# Altium PCB Backplane.PcbDoc (continued)
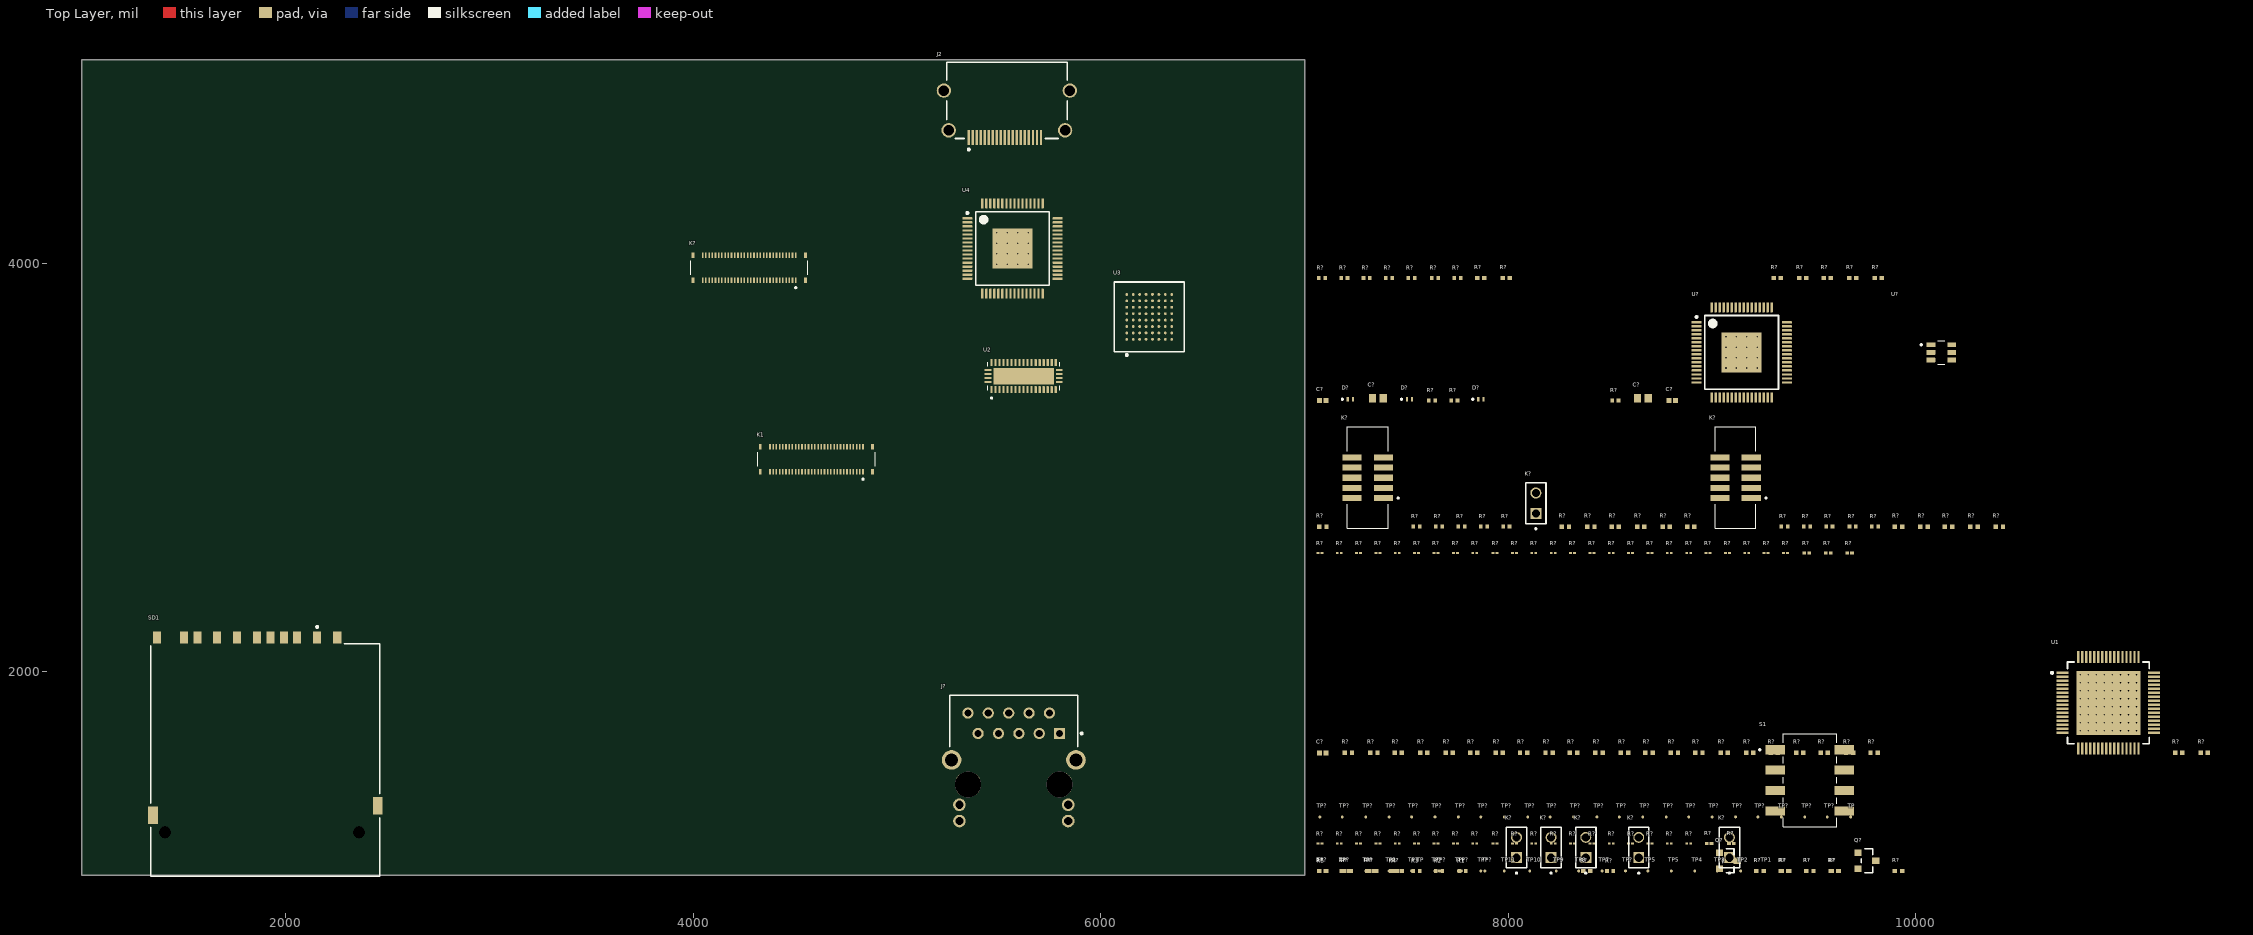
[diagram p0: Top Layer view]
## Footprints (in the part's own frame and the unit in brackets; to place one, negate y for a bottom-side part, rotate by r counter-clockwise, add the part's x,y. Pads: shape width x height; smd on the part's side, far side on the other; paste and mask are expansions set on the pad)
AMPHENOL_20021521-00010T1LF [mm]
  rect 0.76x2.4 smd: 1(-2.54,-1.95) 2(-1.27,-1.95) 3(0,-1.95) 4(1.27,-1.95) 5(2.54,-1.95) 6(2.54,1.95) 7(1.27,1.95) 8(0,1.95) 9(-1.27,1.95) 10(-2.54,1.95)
  silkscreen extent -6.32,-3.9 6.32,2.55, body extent -6.3,-2.75 6.35,2.75, height 5.6
CAPC1005X06N [mm] "Chip Capacitor, Body 1.0x0.5mm, IPC Medium Density (0402 Imperial)"
  rect 0.62x0.62 smd: 1(-0.41,0) 2(0.41,0)
  body extent -0.5,-0.25 0.5,0.25, height 0.46
CAPC1608X09N [mm] "Chip Capacitor, Body 1.6x0.8mm, IPC Medium Density (0603 Imperial)"
  rect 0.9x1 smd: 1(-0.675,0) 2(0.675,0)
  body extent -0.8,-0.4 0.8,0.4, height 0.78
DF40C-60DS-0.4V(51) [mm]
  rect 0.2x0.7 smd paste-1 mask+0.05: 1(5.968,-1.683) 2(5.968,1.397) 3(5.568,-1.683) 4(5.568,1.397) 5(5.168,-1.683) 6(5.168,1.397) 7(4.768,-1.683) 8(4.768,1.397) 9(4.368,-1.683) 10(4.368,1.397) 11(3.968,-1.683) 12(3.968,1.397) 13(3.568,-1.683) 14(3.568,1.397) 15(3.168,-1.683) 16(3.168,1.397) 17(2.768,-1.683) 18(2.768,1.397) 19(2.368,-1.683) 20(2.368,1.397) 21(1.968,-1.683) 22(1.968,1.397) 23(1.568,-1.683) 24(1.568,1.397) 25(1.168,-1.683) 26(1.168,1.397) 27(0.768,-1.683) 28(0.768,1.397) 29(0.368,-1.683) 30(0.368,1.397) 31(-0.032,-1.683) 32(-0.032,1.397) 33(-0.432,-1.683) 34(-0.432,1.397) 35(-0.832,-1.683) 36(-0.832,1.397) 37(-1.232,-1.683) 38(-1.232,1.397) 39(-1.632,-1.683) 40(-1.632,1.397) 41(-2.032,-1.683) 42(-2.032,1.397) 43(-2.432,-1.683) 44(-2.432,1.397) 45(-2.832,-1.683) 46(-2.832,1.397) 47(-3.232,-1.683) 48(-3.232,1.397) 49(-3.632,-1.683) 50(-3.632,1.397) 51(-4.032,-1.683) 52(-4.032,1.397) 53(-4.432,-1.683) 54(-4.432,1.397) 55(-4.832,-1.683) 56(-4.832,1.397) 57(-5.232,-1.683) 58(-5.232,1.397) 59(-5.632,-1.683) 60(-5.632,1.397)
  rect 0.35x0.7 smd paste-1: S1(7.168,-1.683) S2(7.168,1.397) S3(-6.832,-1.683) S4(-6.832,1.397)
  silkscreen extent -7.13,-2.73 7.47,0.73, body extent -7.13,-1.79 7.47,1.59, height 1.5
DIODFN100X60X40-2N [mm]
  rect 0.28x0.52 smd: 1(-0.325,0) 2(0.325,0)
  silkscreen extent -1.1,-0.1 -0.9,0.1, body extent -0.5,-0.3 0.5,0.3, height 0.4
FCI-10029449-111RLF_V [mm] "SMD, 19-Leads, Body 15x9.5mm, Pitch 0.5mm"
  rect 0.3x1.9 smd: 1(4.75,2.925) 2(4.25,2.925) 3(3.75,2.925) 4(3.25,2.925) 5(2.75,2.925) 6(2.25,2.925) 7(1.75,2.925) 8(1.25,2.925) 9(0.75,2.925) 10(0.25,2.925) 11(-0.25,2.925) 12(-0.75,2.925) 13(-1.25,2.925) 14(-1.75,2.925) 15(-2.25,2.925) 16(-2.75,2.925) 17(-3.25,2.925) 18(-3.75,2.925) 19(-4.25,2.925)
  round 1.8 hole 1.3: 20(-7.25,2.025) 21(-7.85,-2.925) 22(7.85,-2.925) 23(7.25,2.025)
  silkscreen extent -7.5,-6.44 7.5,4.55, body extent -8.1,-6.44 8.1,3.45, height 6.11
FCI-10067847-001RLF_V [mm] "CONN, 11-Leads, Body 29x28.5mm"
  rect 1x1.5 smd: 1(6.475,12.15) 2(3.975,12.15) 3(0.675,12.15) 4(-1.025,12.15) 5(-3.525,12.15) 6(-6.025,12.15) 7(-8.45,12.15) 8(-10.15,12.15) 9(8.975,12.15) 10(2.325,12.15) 11(-13.5,12.15)
  rect 1.2x2.2 smd: 12(-14,-10.05) 13(14,-8.85)
  round 0 hole 1.5 unplated: MH1(-12.5,-12.15) MH2(11.7,-12.15)
  silkscreen extent -14.25,-17.65 14.25,13.57, body extent -14.24,-17.7 14.21,12.56, height 2.9
FP-ARJM11D7-502-AB-EW2-MFG [mm]
  rect 1.4x1.4 hole 0.9 paste-2539.97 mask+0: 1(5.715,6.275)
  round 1.4 hole 0.9 paste-2539.97 mask+0: 2(4.445,8.815) 3(3.175,6.275) 4(1.905,8.815) 5(0.635,6.275) 6(-0.635,8.815) 7(-1.905,6.275) 8(-3.175,8.815) 9(-4.445,6.275) 10(-5.715,8.815)
  round 1.57 hole 1.02 paste-2539.97 mask+0: 11(-6.785,-2.615) 12(-6.785,-4.645) 13(6.785,-2.615) 14(6.785,-4.645)
  round 2.45 hole 1.6 paste-2539.97 mask+0: 15(-7.75,2.975) 16(7.75,2.975)
  round 3.25 hole 3.25 unplated paste-2539.97 mask+0: ""(-5.715,-0.075) ""(5.715,-0.075)
  silkscreen extent -7.97,4.65 8.59,11.05, body extent -9.08,-11.15 9.08,11.15, height 0.25
FP-NZC0064A-MFG [mm]
  round 0.35 smd paste+0 mask-1000: A1(-2.8,2.8) A2(-2,2.8) A3(-1.2,2.8) A4(-0.4,2.8) A5(0.4,2.8) A6(1.2,2.8) A7(2,2.8) A8(2.8,2.8) B1(-2.8,2) B2(-2,2) B3(-1.2,2) B4(-0.4,2) B5(0.4,2) B6(1.2,2) B7(2,2) B8(2.8,2) C1(-2.8,1.2) C2(-2,1.2) C3(-1.2,1.2) C4(-0.4,1.2) C5(0.4,1.2) C6(1.2,1.2) C7(2,1.2) C8(2.8,1.2) D1(-2.8,0.4) D2(-2,0.4) D3(-1.2,0.4) D4(-0.4,0.4) D5(0.4,0.4) D6(1.2,0.4) D7(2,0.4) D8(2.8,0.4) E1(-2.8,-0.4) E2(-2,-0.4) E3(-1.2,-0.4) E4(-0.4,-0.4) E5(0.4,-0.4) E6(1.2,-0.4) E7(2,-0.4) E8(2.8,-0.4) F1(-2.8,-1.2) F2(-2,-1.2) F3(-1.2,-1.2) F4(-0.4,-1.2) F5(0.4,-1.2) F6(1.2,-1.2) F7(2,-1.2) F8(2.8,-1.2) G1(-2.8,-2) G2(-2,-2) G3(-1.2,-2) G4(-0.4,-2) G5(0.4,-2) G6(1.2,-2) G7(2,-2) G8(2.8,-2) H1(-2.8,-2.8) H2(-2,-2.8) H3(-1.2,-2.8) H4(-0.4,-2.8) H5(0.4,-2.8) H6(1.2,-2.8) H7(2,-2.8) H8(2.8,-2.8)
  silkscreen extent -4.87,-4.35 4.35,4.35, body extent -4.55,-4.55 4.55,4.55, height 0.25
FP-PAP0064M-MFG [mm]
  rect 1.5x0.3 smd paste+0 mask+0: 1(-5.7,3.75) 2(-5.7,3.25) 3(-5.7,2.75) 4(-5.7,2.25) 5(-5.7,1.75) 6(-5.7,1.25) 7(-5.7,0.75) 8(-5.7,0.25) 9(-5.7,-0.25) 10(-5.7,-0.75) 11(-5.7,-1.25) 12(-5.7,-1.75) 13(-5.7,-2.25) 14(-5.7,-2.75) 15(-5.7,-3.25) 16(-5.7,-3.75) 33(5.7,-3.75) 34(5.7,-3.25) 35(5.7,-2.75) 36(5.7,-2.25) 37(5.7,-1.75) 38(5.7,-1.25) 39(5.7,-0.75) 40(5.7,-0.25) 41(5.7,0.25) 42(5.7,0.75) 43(5.7,1.25) 44(5.7,1.75) 45(5.7,2.25) 46(5.7,2.75) 47(5.7,3.25) 48(5.7,3.75)
  rect 0.3x1.5 smd paste+0 mask+0: 17(-3.75,-5.7) 18(-3.25,-5.7) 19(-2.75,-5.7) 20(-2.25,-5.7) 21(-1.75,-5.7) 22(-1.25,-5.7) 23(-0.75,-5.7) 24(-0.25,-5.7) 25(0.25,-5.7) 26(0.75,-5.7) 27(1.25,-5.7) 28(1.75,-5.7) 29(2.25,-5.7) 30(2.75,-5.7) 31(3.25,-5.7) 32(3.75,-5.7) 49(3.75,5.7) 50(3.25,5.7) 51(2.75,5.7) 52(2.25,5.7) 53(1.75,5.7) 54(1.25,5.7) 55(0.75,5.7) 56(0.25,5.7) 57(-0.25,5.7) 58(-0.75,5.7) 59(-1.25,5.7) 60(-1.75,5.7) 62(-2.75,5.7) 63(-3.25,5.7) 64(-3.75,5.7) ""(-2.25,5.7)
  rect 8x8 smd paste-1000 mask-1000: 65(0,0)
  silkscreen extent -7.15,-5.1 5.1,5.1, body extent -6.55,-6.55 6.55,6.55, height 0.25
FP-PG-SOT23-3-MFG [mm]
  rect 0.9x0.8 smd paste+0 mask+0: 1(-1.1,1) 2(-1.1,-1) 3(1.1,0)
  silkscreen extent -0.7,-1.5 0.7,1.5, body extent -1.65,-1.6 1.65,1.6, height 0.25
IC_TXU0101DBVR [mm]
  rrect17% 1.1x0.6 smd mask+0: 1(-1.3,0.95) 2(-1.3,0) 3(-1.3,-0.95) 4(1.3,-0.95) 5(1.3,0) 6(1.3,0.95)
  silkscreen extent -2.6,-1.45 0.43,1.45, body extent -1.4,-1.45 1.4,1.45, height 1.45
PAP0064D_L [mm] "QFP, 64-Leads, Body 10x10mm, Pitch 0.5mm, Thermal Pad 5x5mm, IPC High Density"
  rrect33% 1.25x0.3 smd: 1(-5.625,3.75) 2(-5.625,3.25) 3(-5.625,2.75) 4(-5.625,2.25) 5(-5.625,1.75) 6(-5.625,1.25) 7(-5.625,0.75) 8(-5.625,0.25) 9(-5.625,-0.25) 10(-5.625,-0.75) 11(-5.625,-1.25) 12(-5.625,-1.75) 13(-5.625,-2.25) 14(-5.625,-2.75) 15(-5.625,-3.25) 16(-5.625,-3.75) 33(5.625,-3.75) 34(5.625,-3.25) 35(5.625,-2.75) 36(5.625,-2.25) 37(5.625,-1.75) 38(5.625,-1.25) 39(5.625,-0.75) 40(5.625,-0.25) 41(5.625,0.25) 42(5.625,0.75) 43(5.625,1.25) 44(5.625,1.75) 45(5.625,2.25) 46(5.625,2.75) 47(5.625,3.25) 48(5.625,3.75)
  rrect33% 0.3x1.25 smd: 17(-3.75,-5.625) 18(-3.25,-5.625) 19(-2.75,-5.625) 20(-2.25,-5.625) 21(-1.75,-5.625) 22(-1.25,-5.625) 23(-0.75,-5.625) 24(-0.25,-5.625) 25(0.25,-5.625) 26(0.75,-5.625) 27(1.25,-5.625) 28(1.75,-5.625) 29(2.25,-5.625) 30(2.75,-5.625) 31(3.25,-5.625) 32(3.75,-5.625) 49(3.75,5.625) 50(3.25,5.625) 51(2.75,5.625) 52(2.25,5.625) 53(1.75,5.625) 54(1.25,5.625) 55(0.75,5.625) 56(0.25,5.625) 57(-0.25,5.625) 58(-0.75,5.625) 59(-1.25,5.625) 60(-1.75,5.625) 61(-2.25,5.625) 62(-2.75,5.625) 63(-3.25,5.625) 64(-3.75,5.625)
  rrect2% 5x5 smd: 65(0,0)
  silkscreen extent -5.75,-4.6 4.6,4.6, body extent -6,-6 6,6, height 1.12
QFN50P900X350X80-43N [mm]
  rrect25% 0.86x0.27 smd: 1(-1.685,4) 2(-1.685,3.5) 3(-1.685,3) 4(-1.685,2.5) 5(-1.685,2) 6(-1.685,1.5) 7(-1.685,1) 8(-1.685,0.5) 9(-1.685,0) 10(-1.685,-0.5) 11(-1.685,-1) 12(-1.685,-1.5) 13(-1.685,-2) 14(-1.685,-2.5) 15(-1.685,-3) 16(-1.685,-3.5) 17(-1.685,-4) 22(1.685,-4) 23(1.685,-3.5) 24(1.685,-3) 25(1.685,-2.5) 26(1.685,-2) 27(1.685,-1.5) 28(1.685,-1) 29(1.685,-0.5) 30(1.685,0) 31(1.685,0.5) 32(1.685,1) 33(1.685,1.5) 34(1.685,2) 35(1.685,2.5) 36(1.685,3) 37(1.685,3.5) 38(1.685,4)
  rrect25% 0.27x0.86 smd: 18(-0.75,-4.435) 19(-0.25,-4.435) 20(0.25,-4.435) 21(0.75,-4.435) 39(0.75,4.435) 40(0.25,4.435) 41(-0.25,4.435) 42(-0.75,4.435)
  rect 2.05x7.55 smd paste-5: 43(0,0)
  silkscreen extent -2.84,-4.5 1.75,4.5, body extent -1.75,-4.5 1.75,4.5, height 0.8
RESC0603X03L [mm] "Chip Resistor, Body 0.6x0.3mm, IPC High Density (0201 Imperial)"
  rect 0.35x0.25 smd: 1(-0.25,0) 2(0.25,0)
  body extent -0.32,-0.17 0.32,0.17, height 0.26
RESC0603X03N [mm] "Chip Resistor, Body 0.6x0.3mm, IPC Medium Density (0201 Imperial)"
  rect 0.45x0.35 smd: 1(-0.3,0) 2(0.3,0)
  body extent -0.32,-0.17 0.32,0.17, height 0.26
RESC1005X04L [mm] "Chip Resistor, Body 1.0x0.5mm, IPC High Density (0402 Imperial)"
  rect 0.45x0.5 smd: 1(-0.4,0) 2(0.4,0)
  body extent -0.53,-0.28 0.53,0.28, height 0.4
RESC1005X04N [mm] "Chip Resistor, Body 1.0x0.5mm, IPC Medium Density (0402 Imperial)"
  rect 0.55x0.55 smd: 1(-0.45,0) 2(0.45,0)
  body extent -0.53,-0.28 0.53,0.28, height 0.4
SAMTEC_TSW-102-07-F-S [mm]
  rect 1.37x1.37 / inner round 1.37 / far side rect 1.37x1.37 hole 1.02: 1(-1.27,0)
  round 1.37 hole 1.02: 2(1.27,0)
  silkscreen extent -3.29,-1.27 2.54,1.27, body extent -2.67,-1.14 2.54,1.4, height 8.38
SW_219-4LPST [mm]
  rect 2.44x1.13 smd: 1(-4.3,3.81) 2(-4.3,1.27) 3(-4.3,-1.27) 4(-4.3,-3.81) 5(4.3,-3.81) 6(4.3,-1.27) 7(4.3,1.27) 8(4.3,3.81)
  silkscreen extent -6.35,-5.81 3.35,5.81
"Test Point" [mil]
  round 14 smd: 12(0,0)

## Part data
C? C? C?: "0.1 µF ±10% 25V Ceramic Capacitor X5R 0402 (1005 Metric)"
C? C?: "22 µF ±20% 10V Ceramic Capacitor X5R 0603 (1608 Metric)"
D? D? D?: "12V Clamp 6A (8/20µs) Ipp Tvs Diode Surface Mount 2-X2DFN (1x0.6)"
J2: library part CMP-2000-05117-1, "Surface Mount Type A HDMI Receptacle without Flange, 19 Positions, 0.5 mm Pitch, -55 to 85 degC, RoHS, Tape and Reel", Color=Black, Contact Rating=0.5A, Insulation Resistance=100MOhms, Manufacturer=FCI, Operating Temperature Range=-55Cto+85C, Voltage Rating=40V, Brand=FCI, Contact Material=CopperAlloy, Contact Plating=Gold, Datasheet URL=https://datasheet.ciiva.com/851/10029449-851120.pdf, Datasheet Version="Rev. S, 06/2012", Factory Pack Quantity=400, Gender=Female, Housing Material=Resin, Manufacturer URL=http://www.fci.com/, Mounting Style=SMD/SMT, Number of Positions=19, Number of Positions / Contacts=19, Orientation=Horizontal, Packaging=Reel, Product Category=HDMI,Displayport&DVIConnectors, Product Type=HDMI, RoHS=Details, Termination Style=SMD
J?: library part CMP-27893-000003-1, "CONN JACK 1PORT 1000 BASE-T PCB", Color=Green, Max Operating Temperature=85°C, Min Operating Temperature=-40°C, Connector Type=RJ45, Contact Plating=Gold, Direction=Up, Mount="Through Hole", Number of Cores per Jack=8, Number of Ports=1, Number of Rows=1, Packaging=Tray, RoHS Compliant=Yes, Shielding=Shielded, Termination=Solder
K1 K?: "60 Position Connector Receptacle, Center Strip Contacts Surface Mount Gold"
K? K? K? K? K? K?: "Connector Header Through Hole 2 position 0.100\" (2.54mm)"
K? K?: "Connector Header Surface Mount 10 position 0.050\" (1.27mm)"
Q? Q?: library part CMP-32901-000006-1, "MOSFET N-CH 100V 0.19A SOT-23", Continuous Drain Current=0.19A, Drain To Source Breakdown Voltage=100V, Drain To Source Resistance=2.4Ω, Gate To Source Voltage=20V, Input Capacitace At Vds="15.7pF @ 25V", Manufacturer=Infineon, Max Forward Diode Voltage=1.1V, Max Junction Temp=+150°C, Package=PG-SOT23-3, Power Dissipation=0.5W, Pulse Drain Current=0.77A, Temperature="-55°C to +150°C", Temperature Range Low=-55°C, Typ Forward Diode Voltage=0.8V, Automotive=Yes, Automotive Grade="Grade 0", Category=Trans, ComponentLink2Description=Datasheet, ComponentLink2URL=https://www.infineon.com/dgdl/Infineon-BSS123N-DS-v02_03-en.pdf?fileId=db3a304335f1f4b6013639adfaaa1631, Depletion Mode=False, Device Class L1="Discrete Semiconductors", Device Class L2=Transistors, Device Class L3=MOSFETs, Digikey Description="MOSFET N-CH 100V 0.19A SOT-23", Drain To Source Voltage=100V, Footprint Url=https://www.infineon.com/cms/en/product/packages/PG-SOT23/PG-SOT23-3-5/, Gate Charge At Vgs="0.6nC @ 10V", Height=1.1mm, Lead Free=Yes, Manufacturer Part Number=BSS123NH6327XTSA1, Mouser Description="Single N-Channel 100V 6 Ohm 0.6 nC OptiMOS? Small Signal Mosfet - SOT-23", Number of Channels=1, Number Of N Channels=1, Octopart=https://octopart.com/bss123nh6327xtsa1-infineon-24621685, Reverse Recovery Charge=4.3nC, Reverse Recovery Time=12ns, RoHS=TRUE, Rthja Max=250K/W, Temperature Range High=+150°C, Threshold Vgs Max=1.8V, Threshold Vgs Min=0.8V, Transconductance=0.41S, Turn Off Delay Time=7.4ns, Turn On Delay Time=2.3ns
R1 R2 R3 R4 R5: "95.3 Ohms ±0.1% 0.063W, 1/16W Chip Resistor 0402 (1005 Metric) Automotive AEC-Q200 Thin Film"
R? R? R? R? R? R? R? R? R? R? R? R? R? R? R? R? R? R? R? R? R? R? R? R? R? R? R? R? R? R? R? R? R? R? R? R? R? R? R? R? R? R? R? R? R?: "33 Ohms ±1% 0.05W, 1/20W Chip Resistor 0201 (0603 Metric) Thick Film", ComponentLink1Description="New link", ComponentLink1URL=https://www.digikey.com.au/en/products/detail/panasonic-electronic-components/ERJ-1GNF33R0C/2035941
R? R? R? R? R?: "10 kOhms ±0.1% 0.075W Chip Resistor 0201 (0603 Metric) Anti-Sulfur, Automotive AEC-Q200, Moisture Resistant Thin Film"
R? R? R? R? R? R? R? R? R? R? R? R? R? R? R? R? R? R? R? R? R? R? R? R? R? R?: "10 kOhms ±1% 0.1W, 1/10W Chip Resistor 0402 (1005 Metric) Automotive AEC-Q200 Thick Film"
R? R? R? R? R? R?: "100 kOhms ±1% 0.1W, 1/10W Chip Resistor 0402 (1005 Metric) Automotive AEC-Q200 Thick Film"
R?: "100 Ohms ±1% 0.1W, 1/10W Chip Resistor 0402 (1005 Metric) Automotive AEC-Q200 Thick Film", Supplier Part Number 1=667-ERJ-2RKF1000X, ComponentLink1Description="New link", ComponentLink1URL=https://www.digikey.com.au/en/products/detail/panasonic-electronic-components/ERJ-2RKF1000X/192080, Supplier 1=Mouser
R?: "2.05 kOhms ±1% 0.1W, 1/10W Chip Resistor 0402 (1005 Metric) Automotive AEC-Q200 Thick Film", Supplier Part Number 1=2019-RK73H1ETTP2051FCT-ND, Supplier 1=DigiKey
R? R? R? R? R? R? R? R? R? R? R? R? R? R? R? R? R? R? R? R? R? R?: "22 Ohms ±1% 0.1W, 1/10W Chip Resistor 0402 (1005 Metric) Automotive AEC-Q200 Thick Film"
R? R? R? R?: "RES SMD 2.2K OHM 1% 1/10W 0402"
R? R? R? R? R? R? R? R? R? R? R? R? R? R? R? R? R? R? R? R?: "33 Ohms ±1% 0.1W, 1/10W Chip Resistor 0402 (1005 Metric) Automotive AEC-Q200 Thick Film"
S1: "Dip Switch SPST 4 Position Surface Mount Slide (Standard) Actuator 100mA 20VDC", Package=None, Availability=Unavailable, MF="{'manufacturer': u'CTS Electrocomponents'}", MP=219-4LPST, Price=None
SD1: library part CMP-2000-05818-1, "Assembly SD Card Reader, Famale, 11 Way, -40 to 105 degC, RoHS, Tape and Reel", Manufacturer="FCI Electronics", Package Description="11-Pin Surface Mount Device, Body 29 x 28.5 mm", Connector Type=MemoryCard, Contact Material=CopperAlloy, Contact Plating=GoldPlatedContacts, Datasheet URL=https://datasheet.ciiva.com/1106/10067847-1106690.pdf, Datasheet Version="Rev. K, 09/2014", Manufacturer URL=http://portal.fciconnect.com/, Mounting Technology=SurfaceMount, No. of Contacts=11Contacts, Package Reference=10067847-001RLF, Product Range=-, SVHC=NoSVHC(15-Jun-2015)
U1: library part CMP-04874-000030-1, "IC ETHERNET PHY 64HTQFP", Max Operating Temperature=85°C, Min Operating Temperature=-40°C, Operating Supply Current=157mA, Cable Length=130m, Interface=Serial, Lead Free="Lead Free", Packaging="Tape and Reel", RoHS Compliant=Yes
U2: "Multi-Channel Differential Switch/Multiplexer Targeting DVI/HDMI & DisplayPort Applications 42-WQFN -40 to 85", Package="WQFN-42 Texas Instruments", Supplier Part Number 1=296-TS3DV642RUARQ1CT-ND, Availability=Unavailable, Check_prices=https://www.snapeda.com/parts/TS3DV642A0RUAR/Texas%20Instruments/view-part/50654/?ref=eda, MF="Texas Instruments", MP=TS3DV642A0RUAR, Price=None, SnapEDA_Link=https://www.snapeda.com/parts/TS3DV642A0RUAR/Texas%20Instruments/view-part/50654/?ref=snap, Supplier 1=DigiKey, Texas_Instruments-Purchase-URL=https://snapeda.com/shop?store=Texas+Instruments&id=50654
U3: library part CMP-04872-000045-1, "IC INTFACE SPECIALIZED 64NFBGA", Case/Package=FBGA, Max Operating Temperature=70°C, Max Power Dissipation=1.61W, Max Supply Voltage=3.6V, Min Operating Temperature=-10°C, Min Supply Voltage=3V, Operating Supply Voltage=3.3V, Package Quantity=360, Data Rate=2380Mbps, Lead Free="Lead Free", Logic Function=Receiver, Mount="Surface Mount", Number of Drivers=28, Number of Elements=3, Number of Pins=64, Number of Receivers=3, Packaging=Tray, Power Dissipation=1.61W, Radiation Hardening=No, Series=DS90CF386
U4: library part CMP-0325-00079-3, "PanelBus DVI Transmitter 165 MHz with 3 Data Channels, 3.3 V, 0 to +70 degC, 64-pin HTQFP (PAP), Green (RoHS & no Sb/Br)", Manufacturer="Texas Instruments", PLL Frequency(MHz)="25 to 165", Rating=Catalog, Supply Voltage(s)(V)=3.3, ComponentLink1Description="Manufacturer URL", ComponentLink1URL=http://www.ti.com/, ComponentLink2Description=Datasheet, ComponentLink2URL=http://www.ti.com/general/docs/lit/getliterature.tsp?genericPartNumber=TFP410&fileType=pdf, ComponentLink3Description="URL Link1", ComponentLink3URL=SamplesURL:http://www.ti.com/product/tfp410#samples, DatasheetVersion=SLDS145B, Eco-Plan="Green (RoHS & no Sb/Br)", Mounting Technology="Surface Mount", Number of Parallel Inputs=24, PackageDescription="64-Pin Plastic Quad Flat Pack, 10 x 10 mm Body, 0.5 mm Pitch, Exposed Pad", PackageReference=PAP0064D, PackageVersion="revC, Aug-2003", PartNumber=TFP410PAP, Serial Data Transmitter Channels=3, SubFamily="PanelBus (DVI)", Transmitter=TRUE
U?: "Voltage Level Translator Unidirectional 1 Circuit 1 Channel 200Mbps SOT-23-6", Package=None, Check_prices=https://www.snapeda.com/parts/TXU0101DBVR/Texas+Instruments/view-part/?ref=eda, MF="Texas Instruments", MP=TXU0101DBVR, SnapEDA_Link=https://www.snapeda.com/parts/TXU0101DBVR/Texas+Instruments/view-part/?ref=snap
U?: Package=None, Availability=Unavailable, MF="{'manufacturer': u'NXP Semiconductors'}", MP=PCAL9722HN/Q900MP, Price=None

## Via types
v1: diameter 19.68, hole 7.87, Top Layer to Bottom Layer, 96 vias

## Nets (pads, with @x,y where several pads share a name; then routed paths per layer and width w, separated by ;. In a path a pad name is that pad's centre, name@x,y a point inside that pad or via, vN(x,y) a via of type N, cw(c..) or ccw(c..) an arc to the next point about the centre after c; other vN are vias at no path point)
DE: U3.F2 U4.2
DISP_SELECT: Q?.1@9716.69,1109.37 R?.1@9587.28,1020
GND: C?.1 D?.1 J?.12 J?.14 J?.15 J?.16 K1.1 K1.2 K1.7 K1.8 K1.13 K1.14 K1.20 K1.23 K1.26 K1.27 K1.28 K1.31 K1.43 K1.47 K1.59 K1.S1 K1.S2 K1.S3 K1.S4 K?.6@7233.23,3050 K?.6@9038.23,3050 K?.8@7233.23,2950 K?.8@9038.23,2950 K?.9@7233.23,2900 K?.9@9038.23,2900 Q?.2@9716.69,1030.63 R?.1@8367.28,1020 R?.2@7107.72,1020 R?.2@7107.72,2710 R?.2@7227.72,1020 R?.2@7352.72,1020 R?.2@7477.72,1020 R?.2@9622.72,1020 SD1.3 SD1.6 SD1.12 SD1.13 U1.65 U2.43 U3.A4 U3.B1 U3.B6 U3.D8 U3.E3 U3.E5 U3.F6 U3.G3 U3.G7 U3.G8 U3.H5 U4.16 U4.17 U4.20 U4.26 U4.32 U4.48 U4.56 U4.64 U4.65 U?.2@10073.82,3565 U?.25 U?.26 U?.33
  other v1: 10807.2,1707.2 10846.57,1707.2 10885.94,1707.2 10925.32,1707.2 10964.68,1707.2 11004.06,1707.2 11043.43,1707.2 11082.8,1707.2 10807.2,1746.57 10846.57,1746.57 10885.94,1746.57 10925.32,1746.57 10964.68,1746.57 11004.06,1746.57 11043.43,1746.57 11082.8,1746.57 10807.2,1785.94 10846.57,1785.94 10885.94,1785.94 10925.32,1785.94 10964.68,1785.94 11004.06,1785.94 11043.43,1785.94 11082.8,1785.94 10807.2,1825.32 10846.57,1825.32 10885.94,1825.32 10925.32,1825.32 10964.68,1825.32 11004.06,1825.32 11043.43,1825.32 11082.8,1825.32 10807.2,1864.68 10846.57,1864.68 10885.94,1864.68 10925.32,1864.68 10964.68,1864.68 11004.06,1864.68 11043.43,1864.68 11082.8,1864.68 10807.2,1904.06 10846.57,1904.06 10885.94,1904.06 10925.32,1904.06 10964.68,1904.06 11004.06,1904.06 11043.43,1904.06 11082.8,1904.06 10807.2,1943.43 10846.57,1943.43 10885.94,1943.43 10925.32,1943.43 10964.68,1943.43 11004.06,1943.43 11043.43,1943.43 11082.8,1943.43 10807.2,1982.8 10846.57,1982.8 10885.94,1982.8 10925.32,1982.8 10964.68,1982.8 11004.06,1982.8 11043.43,1982.8 11082.8,1982.8 5489.69,3998.07 5540.87,3998.07 5592.05,3998.07 5643.23,3998.07 5489.69,4049.25 5540.87,4049.25 5592.05,4049.25 5643.23,4049.25 5489.69,4100.43 5540.87,4100.43 5592.05,4100.43 5643.23,4100.43 5489.69,4151.61 5540.87,4151.61 5592.05,4151.61 5643.23,4151.61
HSYNC: U3.E2 U4.4
"INPUT SIGNAL": U?.3@10073.82,3527.6
LED_0: J?.11 U1.63
LED_1: J?.13 U1.62
LVCMOS_B0: TP.12@9680,1285 U3.A3 U4.63
LVCMOS_B1: TP?.12@9565,1285 U3.C3 U4.62
LVCMOS_B2: TP?.12@9455,1285 U3.D3 U4.61
LVCMOS_B3: TP?.12@9340,1285 U3.D2 U4.60
LVCMOS_B4: TP?.12@9225,1285 U3.C1 U4.59
LVCMOS_B5: TP?.12@9115,1285 U3.E1 U4.58
LVCMOS_B6: TP?.12@9000,1285 U3.B3 U4.55
LVCMOS_B7: TP?.12@8885,1285 U3.A1 U4.54
LVCMOS_CLKOUT: U3.E7 U4.57
LVCMOS_G0: TP?.12@8775,1285 U3.A7 U4.53
LVCMOS_G1: TP?.12@8660,1285 U3.A6 U4.52
LVCMOS_G2: TP?.12@8545,1285 U3.C5 U4.51
LVCMOS_G3: TP?.12@8435,1285 U3.A5 U4.50
LVCMOS_G4: TP?.12@8320,1285 U3.D4 U4.47
LVCMOS_G5: TP?.12@8205,1285 U3.C4 U4.46
LVCMOS_G6: TP?.12@8095,1285 U3.D5 U4.45
LVCMOS_G7: TP?.12@7980,1285 U3.B4 U4.44
LVCMOS_GENERAL_PURPOSE: U3.F1
LVCMOS_R0: TP?.12@7865,1285 U3.E8 U4.43
LVCMOS_R1: TP?.12@7755,1285 U3.C8 U4.42
LVCMOS_R2: TP?.12@7640,1285 U3.D7 U4.41
LVCMOS_R3: TP?.12@7525,1285 U3.B8 U4.40
LVCMOS_R4: TP?.12@7415,1285 U3.C6 U4.39
LVCMOS_R5: TP?.12@7300,1285 U3.A8 U4.38
LVCMOS_R6: TP?.12@7185,1285 U3.H1 U4.37
LVCMOS_R7: TP?.12@7075,1285 U3.B7 U4.36
NetC?_2: C?.2@7106.14,1600 J?.5 J?.6
NetD?_2: D?.2@7877.8,3335 R?.2@8540.75,3330
NetJ1_6: 
NetJ1_7: 
NetJ1_8: 
NetJ1_10: U2.37
NetJ1_11: U2.38
NetJ1_12: U2.35
NetJ1_13: U2.36
NetJ1_14: U2.33
NetJ1_15: U2.34
NetJ1_16: U2.19
NetJ1_17: U2.18
NetJ1_18: U2.31
NetJ1_19: U2.32
NetK1_3: K1.3
NetK1_4: K1.4
NetK1_5: K1.5
NetK1_6: K1.6
NetK1_9: K1.9
NetK1_10: K1.10
NetK1_11: K1.11
NetK1_12: K1.12
NetK1_15: K1.15
NetK1_16: K1.16
NetK1_17: K1.17
NetK1_18: K1.18
NetK1_19: K1.19
NetK1_21: K1.21
NetK1_22: K1.22
NetK1_24: K1.24
NetK1_25: K1.25
NetK1_29: K1.29
NetK1_33: K1.33
NetK1_35: K1.35
NetK1_37: K1.37
NetK1_39: K1.39
NetK1_41: K1.41
NetK1_45: K1.45
NetK1_49: K1.49
NetK1_51: K1.51
NetK1_53: K1.53
NetK1_55: K1.55
NetK1_57: K1.57
NetK?_1: K?.1@8040,1085 R?.1@7072.28,1020 S1.5 TP?.12@7885,1020
NetK?_2: K?.2@8040,1185 R?.2@9497.72,1020 S1.4
NetK?_3: K?.3@9191.77,2950 R?.2@9590.75,2710
NetK?_4: K?.4@9191.77,3000 R?.2@9480.75,2710
NetK?_5: K?.5@9191.77,3050 R?.2@9370.75,2710
NetQ?_1: Q?.1@9036.69,1109.37 U?.4@10176.18,3527.6
NetR1_2: R1.2 U2.28 U3.H2
NetR2_1: R2.1 U2.27
NetR2_2: R2.2 U2.26 U3.F4
NetR3_1: R3.1 U2.25 U3.F5
NetR3_2: R3.2 U2.24 U3.G5
NetR4_1: R4.1 U2.23 U3.H8
NetR4_2: R4.2 U2.22 U3.G6
NetR5_1: R5.1 U2.21 U3.H7
NetR5_2: R5.2 U2.20 U3.H6
NetR?_1: R?.1@7065.16,1155 R?.1@7065.16,2580 R?.1@7160.16,1155 R?.1@7160.16,2580 R?.1@7255.16,1155 R?.1@7255.16,2580 R?.1@7445.16,2580 R?.1@7540.16,1155 R?.1@7635.16,2580 R?.1@7730.16,1155 R?.1@7825.16,2580 R?.1@7925.16,1155 R?.1@8020.16,2580 R?.1@8115.16,2580 R?.2@7369.84,1155 R?.2@7369.84,2580 R?.2@7464.84,1155 R?.2@7559.84,2580 R?.2@7654.84,1155 R?.2@7749.84,2580 R?.2@7844.84,1155 R?.2@7944.84,2580 R?.2@8039.84,1155 R?.2@8134.84,1155 R?.2@8229.84,2580 R?.2@8324.84,1155 R?.2@8324.84,2580 R?.2@8419.84,1155 R?.2@8514.84,1155 R?.2@8514.84,2580 R?.2@8609.84,1155 R?.2@8704.84,1155 R?.2@8704.84,2580 R?.2@8799.84,1155 R?.2@8894.84,2580 R?.2@9084.84,2580 R?.2@9179.84,2580 R?.2@9274.84,2580 U?.1@10073.82,3602.4 U?.5@10176.18,3565
NetR?_2: R?.2@9567.72,1600 R?.2@9692.72,1600 R?.2@9812.72,1600
NetU2_5: U2.5
NetU2_6: U2.6
NetU2_7: U2.7
NetU2_8: U2.8
NetU2_10: U2.10
NetU2_11: U2.11
NetU2_12: U2.12
NetU2_13: U2.13
NetU2_14: U2.14
NetU2_15: U2.15
NetU2_29: U2.29 U3.H3
SEL2: Q?.3@9803.31,1070 R?.1@9897.28,1020 U2.17
SYS_3V3: C?.2@8686.57,3340 C?.2@8821.14,3330 K?.10@7233.23,2850 K?.10@9038.23,2850 R?.1@7182.28,1020 R?.1@7307.28,1020 R?.1@8262.28,2710 R?.1@8387.28,2710 R?.1@8507.28,2710 R?.1@8632.28,2710 R?.1@8757.28,2710 R?.1@8877.28,2710 R?.1@8973.19,1155 R?.1@9083.19,1155 R?.1@9217.28,1020 R?.1@9302.28,3930 R?.1@9337.28,1020 R?.1@9342.28,1020 R?.1@9427.28,3930 R?.1@9453.19,2580 R?.1@9462.28,1020 R?.1@9547.28,3930 R?.1@9558.19,2580 R?.1@9582.28,1020 R?.1@9663.19,2580 R?.1@9672.28,3930 R?.1@9797.28,3930 R?.1@9897.28,2710 R?.1@10022.28,2710 R?.1@10142.28,2710 R?.1@10267.28,2710 R?.1@10392.28,2710 R?.2@7882.72,3930 R?.2@8007.72,3930 R?.2@8515.75,1020 R?.2@9932.72,1020 U2.1 U4.3
SYS_5V: U?.6@10176.18,3602.4
TD_A_N: J?.2 U1.3
TD_A_P: J?.1 U1.2
TD_B_N: J?.4 U1.6
TD_B_P: J?.3 U1.5
TD_C_N: J?.8 U1.11
TD_C_P: J?.7 U1.10
TD_D_N: J?.10 U1.14
TD_D_P: J?.9 U1.13
TDMS0_N: U4.24
TDMS0_P: U4.25
TDMS1_N: U4.27
TDMS1_P: U4.28
TDMS2_N: U4.30
TDMS2_P: U4.31
TDMSC_N: U4.21
TDMSC_P: U4.22
V_BACKLIGHT: C?.2@7106.14,3330 C?.2@7386.57,3340
VSYNC: U3.G1 U4.5
pads on no net: D?.2@7237.8,3335 D?.2@7527.8,3335 J2.1 J2.2 J2.3 J2.4 J2.5 J2.6 J2.7 J2.8 J2.9 J2.10 J2.11 J2.12 J2.13 J2.14 J2.15 J2.16 J2.17 J2.18 J2.19 J2.20 J2.21 J2.22 J2.23 J?. K1.30 K1.32 K1.34 K1.36 K1.38 K1.40 K1.42 K1.44 K1.46 K1.48 K1.50 K1.52 K1.54 K1.56 K1.58 K1.60 K?.1@4502.72,3920 K?.1@7386.77,2850 K?.1@8135,2775 K?.1@8210,1085 K?.1@8380,1085 K?.1@8640,1085 K?.1@9085,1085 K?.1@9191.77,2850 K?.2@4502.72,4041.26 K?.2@7386.77,2900 K?.2@8135,2875 K?.2@8210,1185 K?.2@8380,1185 K?.2@8640,1185 K?.2@9085,1185 K?.2@9191.77,2900 K?.3@4486.97,3920 K?.3@7386.77,2950 K?.4@4486.97,4041.26 K?.4@7386.77,3000 K?.5@4471.22,3920 K?.5@7386.77,3050 K?.6@4471.22,4041.26 K?.7 K?.8@4455.47,4041.26 K?.9@4439.72,3920 K?.10@4439.72,4041.26 K?.11 K?.12 K?.13 K?.14 K?.15 K?.16 K?.17 K?.18 K?.19 K?.20 K?.21 K?.22 K?.23 K?.24 K?.25 K?.26 K?.27 K?.28 K?.29 K?.30 K?.31 K?.32 K?.33 K?.34 K?.35 K?.36 K?.37 K?.38 K?.39 K?.40 K?.41 K?.42 K?.43 K?.44 K?.45 K?.46 K?.47 K?.48 K?.49 K?.50 K?.51 K?.52 K?.53 K?.54 K?.55 K?.56 K?.57 K?.58 K?.59 K?.60 K?.S1 K?.S2 K?.S3 K?.S4 Q?.2@9036.69,1030.63 Q?.3@9123.31,1070 R1.1 R?.1@7069.25,3930 R?.1@7072.28,2710 R?.1@7179.25,3930 R?.1@7192.28,1020 R?.1@7197.28,1600 R?.1@7289.25,3930 R?.1@7317.28,1020 R?.1@7322.28,1600 R?.1@7350.16,1155 R?.1@7350.16,2580 R?.1@7399.25,3930 R?.1@7442.28,1020 R?.1@7442.28,1600 R?.1@7445.16,1155 R?.1@7509.25,3930 R?.1@7534.25,2710 R?.1@7540.16,2580 R?.1@7567.28,1600 R?.1@7609.25,3330 R?.1@7624.25,3930 R?.1@7635.16,1155 R?.1@7644.25,2710 R?.1@7692.28,1600 R?.1@7719.25,3330 R?.1@7730.16,2580 R?.1@7734.25,3930 R?.1@7754.25,2710 R?.1@7812.28,1600 R?.1@7825.16,1155 R?.1@7847.28,3930 R?.1@7864.25,2710 R?.1@7925.16,2580 R?.1@7937.28,1600 R?.1@7972.28,3930 R?.1@7974.25,2710 R?.1@8020.16,1155 R?.1@8057.28,1600 R?.1@8115.16,1155 R?.1@8182.28,1600 R?.1@8210.16,1155 R?.1@8210.16,2580 R?.1@8302.28,1600 R?.1@8305.16,1155 R?.1@8305.16,2580 R?.1@8400.16,1155 R?.1@8400.16,2580 R?.1@8427.28,1600 R?.1@8484.25,1020 R?.1@8495.16,1155 R?.1@8495.16,2580 R?.1@8509.25,3330 R?.1@8552.28,1600 R?.1@8590.16,1155 R?.1@8590.16,2580 R?.1@8672.28,1600 R?.1@8685.16,1155 R?.1@8685.16,2580 R?.1@8780.16,1155 R?.1@8780.16,2580 R?.1@8797.28,1600 R?.1@8875.16,1155 R?.1@8875.16,2580 R?.1@8917.28,1600 R?.1@8970.16,2580 R?.1@9042.28,1600 R?.1@9065.16,2580 R?.1@9160.16,2580 R?.1@9167.28,1600 R?.1@9255.16,2580 R?.1@9287.28,1600 R?.1@9339.25,2710 R?.1@9350.16,2580 R?.1@9412.28,1600 R?.1@9449.25,2710 R?.1@9532.28,1600 R?.1@9559.25,2710 R?.1@9657.28,1600 R?.1@9674.25,2710 R?.1@9777.28,1600 R?.1@9784.25,2710 R?.1@11272.28,1600 R?.1@11397.28,1600 R?.2@7084.84,1155 R?.2@7084.84,2580 R?.2@7100.75,3930 R?.2@7179.84,1155 R?.2@7179.84,2580 R?.2@7210.75,3930 R?.2@7217.72,1020 R?.2@7232.72,1600 R?.2@7274.84,1155 R?.2@7274.84,2580 R?.2@7320.75,3930 R?.2@7342.72,1020 R?.2@7357.72,1600 R?.2@7430.75,3930 R?.2@7464.84,2580 R?.2@7477.72,1600 R?.2@7540.75,3930 R?.2@7559.84,1155 R?.2@7565.75,2710 R?.2@7602.72,1600 R?.2@7640.75,3330 R?.2@7654.84,2580 R?.2@7655.75,3930 R?.2@7675.75,2710 R?.2@7727.72,1600 R?.2@7749.84,1155 R?.2@7750.75,3330 R?.2@7765.75,3930 R?.2@7785.75,2710 R?.2@7844.84,2580 R?.2@7847.72,1600 R?.2@7895.75,2710 R?.2@7944.84,1155 R?.2@7972.72,1600 R?.2@8005.75,2710 R?.2@8039.84,2580 R?.2@8092.72,1600 R?.2@8134.84,2580 R?.2@8217.72,1600 R?.2@8229.84,1155 R?.2@8297.72,2710 R?.2@8337.72,1600 R?.2@8402.72,1020 R?.2@8419.84,2580 R?.2@8422.72,2710 R?.2@8462.72,1600 R?.2@8542.72,2710 R?.2@8587.72,1600 R?.2@8609.84,2580 R?.2@8667.72,2710 R?.2@8707.72,1600 R?.2@8792.72,2710 R?.2@8799.84,2580 R?.2@8832.72,1600 R?.2@8894.84,1155 R?.2@8912.72,2710 R?.2@8952.72,1600 R?.2@8989.84,2580 R?.2@8996.81,1155 R?.2@9077.72,1600 R?.2@9106.81,1155 R?.2@9202.72,1600 R?.2@9252.72,1020 R?.2@9322.72,1600 R?.2@9337.72,3930 R?.2@9369.84,2580 R?.2@9372.72,1020 R?.2@9377.72,1020 R?.2@9447.72,1600 R?.2@9462.72,3930 R?.2@9476.81,2580 R?.2@9497.72,1020 R?.2@9581.81,2580 R?.2@9582.72,3930 R?.2@9617.72,1020 R?.2@9686.81,2580 R?.2@9705.75,2710 R?.2@9707.72,3930 R?.2@9815.75,2710 R?.2@9832.72,3930 R?.2@9932.72,2710 R?.2@10057.72,2710 R?.2@10177.72,2710 R?.2@10302.72,2710 R?.2@10427.72,2710 R?.2@11307.72,1600 R?.2@11432.72,1600 S1.1 S1.2 S1.3 S1.6 S1.7 S1.8 SD1.1 SD1.2 SD1.4 SD1.5 SD1.7 SD1.8 SD1.9 SD1.10 SD1.11 SD1.MH1 SD1.MH2 TP1.12 TP2.12 TP3.12 TP4.12 TP5.12 TP7.12 TP8.12 TP9.12 TP10.12 TP11.12 TP.12@7565,1020 TP?.12@7075,1020 TP?.12@7185,1020 TP?.12@7300,1020 TP?.12@7415,1020 TP?.12@7525,1020 TP?.12@7640,1020 TP?.12@7660,1020 TP?.12@7755,1020 TP?.12@7770,1020 TP?.12@7865,1020 TP?.12@8575,1020 U1. U1.1 U1.4 U1.7 U1.8 U1.9 U1.12 U1.15 U1.16 U1.17 U1.18 U1.19 U1.20 U1.21 U1.22 U1.23 U1.24 U1.25 U1.26 U1.27 U1.28 U1.29 U1.30 U1.31 U1.32 U1.33 U1.34 U1.35 U1.36 U1.37 U1.38 U1.39 U1.40 U1.41 U1.42 U1.43 U1.44 U1.45 U1.46 U1.47 U1.48 U1.49 U1.50 U1.51 U1.52 U1.53 U1.54 U1.55 U1.56 U1.57 U1.58 U1.59 U1.60 U1.64 U2.2 U2.3 U2.4 U2.9 U2.16 U2.30 U2.39 U2.40 U2.41 U2.42 U3.A2 U3.B2 U3.B5 U3.C2 U3.C7 U3.D1 U3.D6 U3.E4 U3.E6 U3.F3 U3.F7 U3.F8 U3.G2 U3.G4 U3.H4 U4.1 U4.6 U4.7 U4.8 U4.9 U4.10 U4.11 U4.12 U4.13 U4.14 U4.15 U4.18 U4.19 U4.23 U4.29 U4.33 U4.34 U4.35 U4.49 U?.1@8923.54,3712.64 U?.2@8923.54,3692.95 U?.3@8923.54,3673.27 U?.4@8923.54,3653.58 U?.5@8923.54,3633.9 U?.6@8923.54,3614.21 U?.7 U?.8 U?.9 U?.10 U?.11 U?.12 U?.13 U?.14 U?.15 U?.16 U?.17 U?.18 U?.19 U?.20 U?.21 U?.22 U?.23 U?.24 U?.27 U?.28 U?.29 U?.30 U?.31 U?.32 U?.34 U?.35 U?.36 U?.37 U?.38 U?.39 U?.40 U?.41 U?.42 U?.43 U?.44 U?.45 U?.46 U?.47 U?.48 U?.49 U?.50 U?.51 U?.52 U?.53 U?.54 U?.55 U?.56 U?.57 U?.58 U?.59 U?.60 U?.61 U?.62 U?.63 U?.64 U?.65
copper on no net:
  other v1: 9068.23,3488.23 9119.41,3488.23 9170.59,3488.23 9221.77,3488.23 9068.23,3539.41 9119.41,3539.41 9170.59,3539.41 9221.77,3539.41 9068.23,3590.59 9119.41,3590.59 9170.59,3590.59 9221.77,3590.59 9068.23,3641.77 9119.41,3641.77 9170.59,3641.77 9221.77,3641.77